# KiCad board panel.kicad_pcb (continued)
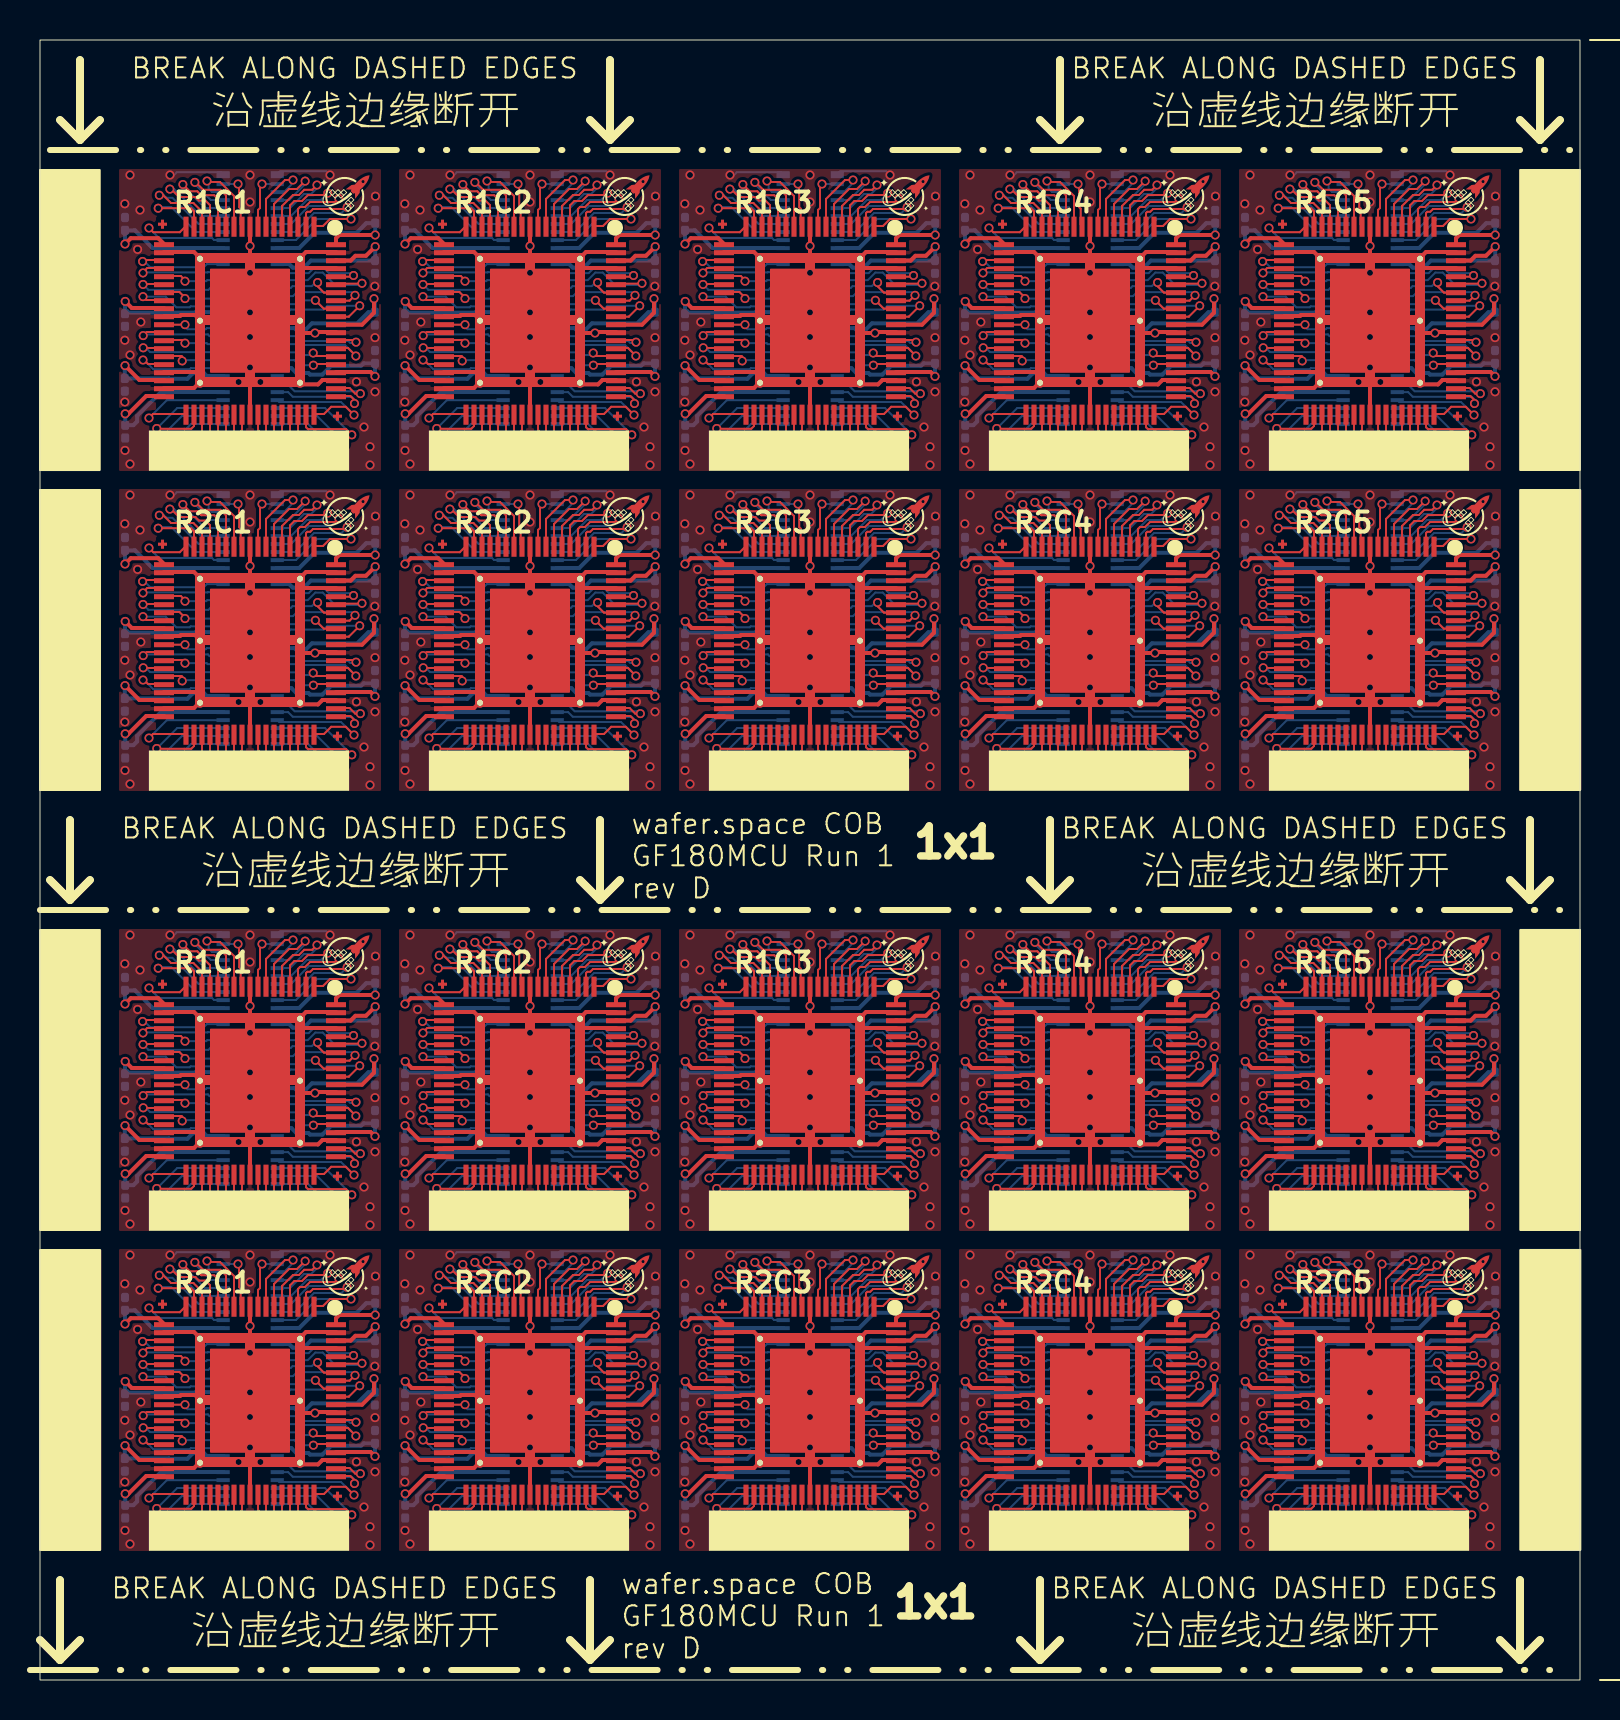
[diagram p0: board, top side]
## Routing (per net, layer and track width the routed paths; a pad name or vN(x,y) marks a point on that pad's centre or on a via; arc(x,y) is an arc through that point) (continued)
  Bottom w0.1: 25.85,35.2 26.55,35.2 27.35,36 28.05,36 v1(28.39,36.34) ; v1(56.39,36.34) 56.05,36 55.35,36 54.55,35.2 53.85,35.2 ; v1(42.39,74.34) 42.05,74 41.35,74 40.55,73.2 39.85,73.2 ; v1(70.39,36.34) 70.05,36 69.35,36 68.55,35.2 67.86,35.2 ; v1(70.39,20.34) 70.05,20 69.35,20 68.55,19.2 67.86,19.2 ; v1(28.39,74.34) 28.05,74 27.35,74 26.55,73.2 25.85,73.2 ; 39.85,57.2 40.55,57.2 41.35,58 42.05,58 v1(42.39,58.34) ; v1(56.39,20.34) 56.05,20 55.35,20 54.55,19.2 53.85,19.2 ; v1(70.39,74.34) 70.05,74 69.35,74 68.55,73.2 67.86,73.2 ; 11.85,19.2 12.55,19.2 13.35,20 14.05,20 v1(14.39,20.34) ; v1(56.39,58.34) 56.05,58 55.35,58 54.55,57.2 53.85,57.2 ; 39.85,19.2 40.55,19.2 41.35,20 42.05,20 v1(42.39,20.34) ; v1(56.39,74.34) 56.05,74 55.35,74 54.55,73.2 53.85,73.2 ; 67.86,57.2 68.55,57.2 69.35,58 70.05,58 v1(70.39,58.34) ; 39.85,35.2 40.55,35.2 41.35,36 42.05,36 v1(42.39,36.34) ; 25.85,57.2 26.55,57.2 27.35,58 28.05,58 v1(28.39,58.34) ; 11.85,35.2 12.55,35.2 13.35,36 14.05,36 v1(14.39,36.34) ; 11.85,57.2 12.55,57.2 13.35,58 14.05,58 v1(14.39,58.34) ; 25.85,19.2 26.55,19.2 27.35,20 28.05,20 v1(28.39,20.34) ; 11.85,73.2 12.55,73.2 13.35,74 14.05,74 v1(14.39,74.34)
/pad_4: length 114.9
  Top w0.1: 68.1,56.7 68.1,57.7 68.65,58.25 68.95,58.25 69.21,58.51 69.61,58.51 v1(69.85,58.75) ; 68.1,72.7 68.1,73.7 68.65,74.25 68.95,74.25 69.21,74.51 69.61,74.51 v1(69.85,74.75) ; v1(27.85,20.75) 27.61,20.51 27.21,20.51 26.95,20.25 26.65,20.25 26.1,19.7 26.1,18.7 ; v1(41.85,58.75) 41.61,58.51 41.21,58.51 40.95,58.25 40.65,58.25 40.1,57.7 40.1,56.7 ; 40.1,34.7 40.1,35.7 40.65,36.25 40.95,36.25 41.21,36.51 41.61,36.51 v1(41.85,36.75) ; 12.1,72.7 12.1,73.7 12.65,74.25 12.95,74.25 13.21,74.51 13.61,74.51 v1(13.85,74.75) ; 12.1,34.7 12.1,35.7 12.65,36.25 12.95,36.25 13.21,36.51 13.61,36.51 v1(13.85,36.75) ; v1(27.85,74.75) 27.61,74.51 27.21,74.51 26.95,74.25 26.65,74.25 26.1,73.7 26.1,72.7 ; v1(13.85,20.75) 13.61,20.51 13.21,20.51 12.95,20.25 12.65,20.25 12.1,19.7 12.1,18.7 ; v1(55.85,20.75) 55.61,20.51 55.21,20.51 54.95,20.25 54.65,20.25 54.1,19.7 54.1,18.7 ; v1(13.85,58.75) 13.61,58.51 13.21,58.51 12.95,58.25 12.65,58.25 12.1,57.7 12.1,56.7 ; v1(27.85,36.75) 27.61,36.51 27.21,36.51 26.95,36.25 26.65,36.25 26.1,35.7 26.1,34.7 ; v1(55.85,74.75) 55.61,74.51 55.21,74.51 54.95,74.25 54.65,74.25 54.1,73.7 54.1,72.7 ; 54.1,34.7 54.1,35.7 54.65,36.25 54.95,36.25 55.21,36.51 55.61,36.51 v1(55.85,36.75) ; v1(27.85,58.75) 27.61,58.51 27.21,58.51 26.95,58.25 26.65,58.25 26.1,57.7 26.1,56.7 ; v1(41.85,20.75) 41.61,20.51 41.21,20.51 40.95,20.25 40.65,20.25 40.1,19.7 40.1,18.7 ; v1(55.85,58.75) 55.61,58.51 55.21,58.51 54.95,58.25 54.65,58.25 54.1,57.7 54.1,56.7 ; 68.1,34.7 68.1,35.7 68.65,36.25 68.95,36.25 69.21,36.51 69.61,36.51 v1(69.85,36.75) ; v1(41.85,74.75) 41.61,74.51 41.21,74.51 40.95,74.25 40.65,74.25 40.1,73.7 40.1,72.7 ; 68.1,18.7 68.1,19.7 68.65,20.25 68.95,20.25 69.21,20.51 69.61,20.51 v1(69.85,20.75)
  Bottom w0.1: v1(13.85,36.75) 13.8,36.7 13.8,36.55 13.55,36.3 13.2,36.3 12.5,35.6 11.85,35.6 ; v1(41.85,58.75) 41.8,58.7 41.8,58.55 41.55,58.3 41.2,58.3 40.5,57.6 39.85,57.6 ; 11.85,57.6 12.5,57.6 13.2,58.3 13.55,58.3 13.8,58.55 13.8,58.7 v1(13.85,58.75) ; v1(55.85,36.75) 55.8,36.7 55.8,36.55 55.55,36.3 55.2,36.3 54.5,35.6 53.85,35.6 ; v1(27.85,20.75) 27.8,20.7 27.8,20.55 27.55,20.3 27.2,20.3 26.5,19.6 25.85,19.6 ; 39.85,35.6 40.5,35.6 41.2,36.3 41.55,36.3 41.8,36.55 41.8,36.7 v1(41.85,36.75) ; v1(27.85,74.75) 27.8,74.7 27.8,74.55 27.55,74.3 27.2,74.3 26.5,73.6 25.85,73.6 ; 53.85,73.6 54.5,73.6 55.2,74.3 55.55,74.3 55.8,74.55 55.8,74.7 v1(55.85,74.75) ; v1(55.85,20.75) 55.8,20.7 55.8,20.55 55.55,20.3 55.2,20.3 54.5,19.6 53.85,19.6 ; v1(27.85,36.75) 27.8,36.7 27.8,36.55 27.55,36.3 27.2,36.3 26.5,35.6 25.85,35.6 ; v1(69.85,58.75) 69.8,58.7 69.8,58.55 69.55,58.3 69.2,58.3 68.5,57.6 67.86,57.6 ; 67.86,73.6 68.5,73.6 69.2,74.3 69.55,74.3 69.8,74.55 69.8,74.7 v1(69.85,74.75) ; 25.85,57.6 26.5,57.6 27.2,58.3 27.55,58.3 27.8,58.55 27.8,58.7 v1(27.85,58.75) ; 67.86,19.6 68.5,19.6 69.2,20.3 69.55,20.3 69.8,20.55 69.8,20.7 v1(69.85,20.75) ; v1(55.85,58.75) 55.8,58.7 55.8,58.55 55.55,58.3 55.2,58.3 54.5,57.6 53.85,57.6 ; v1(41.85,74.75) 41.8,74.7 41.8,74.55 41.55,74.3 41.2,74.3 40.5,73.6 39.85,73.6 ; v1(13.85,74.75) 13.8,74.7 13.8,74.55 13.55,74.3 13.2,74.3 12.5,73.6 11.85,73.6 ; v1(69.85,36.75) 69.8,36.7 69.8,36.55 69.55,36.3 69.2,36.3 68.5,35.6 67.86,35.6 ; v1(13.85,20.75) 13.8,20.7 13.8,20.55 13.55,20.3 13.2,20.3 12.5,19.6 11.85,19.6 ; v1(41.85,20.75) 41.8,20.7 41.8,20.55 41.55,20.3 41.2,20.3 40.5,19.6 39.85,19.6
/pad_5: length 100.2
  Top w0.1: 39.7,72.7 39.7,73.8 40.45,74.55 40.85,74.55 41.24,74.94 v1(41.26,74.94) ; v1(55.26,74.94) 55.24,74.94 54.85,74.55 54.45,74.55 53.7,73.8 53.7,72.7 ; 53.7,34.7 53.7,35.8 54.45,36.55 54.85,36.55 55.24,36.94 v1(55.26,36.94) ; v1(13.26,36.94) 13.24,36.94 12.85,36.55 12.45,36.55 11.7,35.8 11.7,34.7 ; 39.7,18.7 39.7,19.8 40.45,20.55 40.85,20.55 41.24,20.94 v1(41.26,20.94) ; v1(27.26,58.94) 27.24,58.94 26.85,58.55 26.45,58.55 25.7,57.8 25.7,56.7 ; 11.7,18.7 11.7,19.8 12.45,20.55 12.85,20.55 13.24,20.94 v1(13.26,20.94) ; v1(69.26,36.94) 69.24,36.94 68.85,36.55 68.45,36.55 67.7,35.8 67.7,34.7 ; 25.7,34.7 25.7,35.8 26.45,36.55 26.85,36.55 27.24,36.94 v1(27.26,36.94) ; 25.7,72.7 25.7,73.8 26.45,74.55 26.85,74.55 27.24,74.94 v1(27.26,74.94) ; 11.7,72.7 11.7,73.8 12.45,74.55 12.85,74.55 13.24,74.94 v1(13.26,74.94) ; v1(69.26,74.94) 69.24,74.94 68.85,74.55 68.45,74.55 67.7,73.8 67.7,72.7 ; v1(69.26,20.94) 69.24,20.94 68.85,20.55 68.45,20.55 67.7,19.8 67.7,18.7 ; v1(27.26,20.94) 27.24,20.94 26.85,20.55 26.45,20.55 25.7,19.8 25.7,18.7 ; v1(55.26,58.94) 55.24,58.94 54.85,58.55 54.45,58.55 53.7,57.8 53.7,56.7 ; 67.7,56.7 67.7,57.8 68.45,58.55 68.85,58.55 69.24,58.94 v1(69.26,58.94) ; v1(13.26,58.94) 13.24,58.94 12.85,58.55 12.45,58.55 11.7,57.8 11.7,56.7 ; v1(41.26,58.94) 41.24,58.94 40.85,58.55 40.45,58.55 39.7,57.8 39.7,56.7 ; v1(41.26,36.94) 41.24,36.94 40.85,36.55 40.45,36.55 39.7,35.8 39.7,34.7 ; v1(55.26,20.94) 55.24,20.94 54.85,20.55 54.45,20.55 53.7,19.8 53.7,18.7
  Bottom w0.1: 25.85,74 26.46,74 27.26,74.8 v1(27.26,74.94) ; v1(55.26,20.94) 55.26,20.8 54.46,20 53.85,20 ; 25.85,20 26.46,20 27.26,20.8 v1(27.26,20.94) ; v1(41.26,74.94) 41.26,74.8 40.46,74 39.85,74 ; v1(69.26,74.94) 69.26,74.8 68.46,74 67.86,74 ; v1(41.26,58.94) 41.26,58.8 40.46,58 39.85,58 ; 25.85,36 26.46,36 27.26,36.8 v1(27.26,36.94) ; v1(41.26,36.94) 41.26,36.8 40.46,36 39.85,36 ; 67.86,36 68.46,36 69.26,36.8 v1(69.26,36.94) ; v1(55.26,74.94) 55.26,74.8 54.46,74 53.85,74 ; v1(55.26,36.94) 55.26,36.8 54.46,36 53.85,36 ; v1(13.26,20.94) 13.26,20.8 12.46,20 11.85,20 ; v1(27.26,58.94) 27.26,58.8 26.46,58 25.85,58 ; 67.86,58 68.46,58 69.26,58.8 v1(69.26,58.94) ; v1(13.26,74.94) 13.26,74.8 12.46,74 11.85,74 ; 11.85,36 12.46,36 13.26,36.8 v1(13.26,36.94) ; v1(55.26,58.94) 55.26,58.8 54.46,58 53.85,58 ; v1(13.26,58.94) 13.26,58.8 12.46,58 11.85,58 ; v1(41.26,20.94) 41.26,20.8 40.46,20 39.85,20 ; v1(69.26,20.94) 69.26,20.8 68.46,20 67.86,20
/pad_6: length 84.5
  Top w0.1: v1(26.65,37) 26.25,37 25.3,36.05 25.3,34.7 ; 53.3,72.7 53.3,74.05 54.25,75 v1(54.65,75) ; 67.3,18.7 67.3,20.05 68.25,21 v1(68.65,21) ; v1(40.65,21) 40.25,21 39.3,20.05 39.3,18.7 ; 67.3,34.7 67.3,36.05 68.25,37 v1(68.65,37) ; v1(40.65,59) 40.25,59 39.3,58.05 39.3,56.7 ; v1(26.65,75) 26.25,75 25.3,74.05 25.3,72.7 ; v1(40.65,75) 40.25,75 39.3,74.05 39.3,72.7 ; v1(54.65,59) 54.25,59 53.3,58.05 53.3,56.7 ; 25.3,56.7 25.3,58.05 26.25,59 v1(26.65,59) ; v1(12.65,37) 12.25,37 11.3,36.05 11.3,34.7 ; 53.3,34.7 53.3,36.05 54.25,37 v1(54.65,37) ; v1(54.65,21) 54.25,21 53.3,20.05 53.3,18.7 ; v1(68.65,75) 68.25,75 67.3,74.05 67.3,72.7 ; v1(12.65,75) 12.25,75 11.3,74.05 11.3,72.7 ; v1(68.65,59) 68.25,59 67.3,58.05 67.3,56.7 ; v1(12.65,59) 12.25,59 11.3,58.05 11.3,56.7 ; 11.3,18.7 11.3,20.05 12.25,21 v1(12.65,21) ; 25.3,18.7 25.3,20.05 26.25,21 v1(26.65,21) ; 39.3,34.7 39.3,36.05 40.25,37 v1(40.65,37)
  Bottom w0.1: v1(40.65,75) 40.65,74.85 40.2,74.4 39.85,74.4 ; 25.85,36.4 26.2,36.4 26.65,36.85 v1(26.65,37) ; v1(54.65,59) 54.65,58.85 54.2,58.4 53.85,58.4 ; v1(54.65,37) 54.65,36.85 54.2,36.4 53.85,36.4 ; v1(54.65,75) 54.65,74.85 54.2,74.4 53.85,74.4 ; v1(40.65,21) 40.65,20.85 40.2,20.4 39.85,20.4 ; v1(26.65,59) 26.65,58.85 26.2,58.4 25.85,58.4 ; v1(54.65,21) 54.65,20.85 54.2,20.4 53.85,20.4 ; 67.86,58.4 68.2,58.4 68.65,58.85 v1(68.65,59) ; v1(12.65,59) 12.65,58.85 12.2,58.4 11.85,58.4 ; v1(40.65,59) 40.65,58.85 40.2,58.4 39.85,58.4 ; 25.85,74.4 26.2,74.4 26.65,74.85 v1(26.65,75) ; v1(68.65,37) 68.65,36.85 68.2,36.4 67.86,36.4 ; 39.85,36.4 40.2,36.4 40.65,36.85 v1(40.65,37) ; v1(12.65,37) 12.65,36.85 12.2,36.4 11.85,36.4 ; v1(12.65,75) 12.65,74.85 12.2,74.4 11.85,74.4 ; v1(68.65,75) 68.65,74.85 68.2,74.4 67.86,74.4 ; v1(68.65,21) 68.65,20.85 68.2,20.4 67.86,20.4 ; 25.85,20.4 26.2,20.4 26.65,20.85 v1(26.65,21) ; 11.85,20.4 12.2,20.4 12.65,20.85 v1(12.65,21)
/pad_7: length 58.8
  Top w0.1: v1(25.1,74.8) 25,74.7 25,73.6 24.9,73.5 24.9,72.7 ; v1(53.1,36.8) 53,36.7 53,35.6 52.9,35.5 52.9,34.7 ; 24.9,18.7 24.9,19.5 25,19.6 25,20.7 v1(25.1,20.8) ; 52.9,72.7 52.9,73.5 53,73.6 53,74.7 v1(53.1,74.8) ; v1(53.1,20.8) 53,20.7 53,19.6 52.9,19.5 52.9,18.7 ; 24.9,56.7 24.9,57.5 25,57.6 25,58.7 v1(25.1,58.8) ; v1(39.1,20.8) 39,20.7 39,19.6 38.9,19.5 38.9,18.7 ; v1(39.1,58.8) 39,58.7 39,57.6 38.9,57.5 38.9,56.7 ; v1(39.1,36.8) 39,36.7 39,35.6 38.9,35.5 38.9,34.7 ; v1(67.1,20.8) 67,20.7 67,19.6 66.9,19.5 66.9,18.7 ; v1(67.1,74.8) 67,74.7 67,73.6 66.9,73.5 66.9,72.7 ; 10.9,34.7 10.9,35.5 11,35.6 11,36.7 v1(11.1,36.8) ; 24.9,34.7 24.9,35.5 25,35.6 25,36.7 v1(25.1,36.8) ; v1(11.1,74.8) 11,74.7 11,73.6 10.9,73.5 10.9,72.7 ; 66.9,34.7 66.9,35.5 67,35.6 67,36.7 v1(67.1,36.8) ; v1(53.1,58.8) 53,58.7 53,57.6 52.9,57.5 52.9,56.7 ; v1(39.1,74.8) 39,74.7 39,73.6 38.9,73.5 38.9,72.7 ; 10.9,18.7 10.9,19.5 11,19.6 11,20.7 v1(11.1,20.8) ; v1(11.1,58.8) 11,58.7 11,57.6 10.9,57.5 10.9,56.7 ; v1(67.1,58.8) 67,58.7 67,57.6 66.9,57.5 66.9,56.7
  Bottom w0.1: v1(39.1,36.8) 39.85,36.8 ; v1(39.1,20.8) 39.85,20.8 ; v1(25.1,20.8) 25.85,20.8 ; v1(53.1,74.8) 53.85,74.8 ; v1(25.1,58.8) 25.85,58.8 ; v1(25.1,74.8) 25.85,74.8 ; v1(67.1,58.8) 67.86,58.8 ; v1(67.1,74.8) 67.86,74.8 ; v1(67.1,20.8) 67.86,20.8 ; v1(67.1,36.8) 67.86,36.8 ; v1(11.1,20.8) 11.85,20.8 ; v1(11.1,36.8) 11.85,36.8 ; v1(53.1,58.8) 53.85,58.8 ; v1(53.1,20.8) 53.85,20.8 ; v1(11.1,58.8) 11.85,58.8 ; v1(39.1,58.8) 39.85,58.8 ; v1(39.1,74.8) 39.85,74.8 ; v1(11.1,74.8) 11.85,74.8 ; v1(25.1,36.8) 25.85,36.8 ; v1(53.1,36.8) 53.85,36.8
/pad_9: length 58.8
  Top w0.1: 10.1,56.7 10.04,56.76 10.04,57.56 9.96,57.64 9.96,58.31 9.95,58.32 9.95,58.65 9.9,58.7 v1(9.9,58.8) ; 52.1,18.7 52.04,18.76 52.04,19.56 51.96,19.64 51.96,20.31 51.95,20.32 51.95,20.65 51.9,20.7 v1(51.9,20.8) ; 24.1,72.7 24.04,72.76 24.04,73.56 23.96,73.64 23.96,74.31 23.95,74.32 23.95,74.65 23.9,74.7 v1(23.9,74.8) ; v1(37.9,74.8) 37.9,74.7 37.95,74.65 37.95,74.32 37.96,74.31 37.96,73.64 38.04,73.56 38.04,72.76 38.1,72.7 ; 66.1,56.7 66.04,56.76 66.04,57.56 65.96,57.64 65.96,58.31 65.95,58.32 65.95,58.65 65.9,58.7 v1(65.9,58.8) ; v1(23.9,58.8) 23.9,58.7 23.95,58.65 23.95,58.32 23.96,58.31 23.96,57.64 24.04,57.56 24.04,56.76 24.1,56.7 ; v1(9.9,74.8) 9.9,74.7 9.95,74.65 9.95,74.32 9.96,74.31 9.96,73.64 10.04,73.56 10.04,72.76 10.1,72.7 ; 66.1,34.7 66.04,34.76 66.04,35.56 65.96,35.64 65.96,36.31 65.95,36.32 65.95,36.65 65.9,36.7 v1(65.9,36.8) ; 24.1,34.7 24.04,34.76 24.04,35.56 23.96,35.64 23.96,36.31 23.95,36.32 23.95,36.65 23.9,36.7 v1(23.9,36.8) ; v1(65.9,20.8) 65.9,20.7 65.95,20.65 65.95,20.32 65.96,20.31 65.96,19.64 66.04,19.56 66.04,18.76 66.1,18.7 ; 38.1,34.7 38.04,34.76 38.04,35.56 37.96,35.64 37.96,36.31 37.95,36.32 37.95,36.65 37.9,36.7 v1(37.9,36.8) ; v1(51.9,74.8) 51.9,74.7 51.95,74.65 51.95,74.32 51.96,74.31 51.96,73.64 52.04,73.56 52.04,72.76 52.1,72.7 ; v1(9.9,20.8) 9.9,20.7 9.95,20.65 9.95,20.32 9.96,20.31 9.96,19.64 10.04,19.56 10.04,18.76 10.1,18.7 ; v1(37.9,20.8) 37.9,20.7 37.95,20.65 37.95,20.32 37.96,20.31 37.96,19.64 38.04,19.56 38.04,18.76 38.1,18.7 ; 66.1,72.7 66.04,72.76 66.04,73.56 65.96,73.64 65.96,74.31 65.95,74.32 65.95,74.65 65.9,74.7 v1(65.9,74.8) ; 24.1,18.7 24.04,18.76 24.04,19.56 23.96,19.64 23.96,20.31 23.95,20.32 23.95,20.65 23.9,20.7 v1(23.9,20.8) ; 52.1,56.7 52.04,56.76 52.04,57.56 51.96,57.64 51.96,58.31 51.95,58.32 51.95,58.65 51.9,58.7 v1(51.9,58.8) ; 52.1,34.7 52.04,34.76 52.04,35.56 51.96,35.64 51.96,36.31 51.95,36.32 51.95,36.65 51.9,36.7 v1(51.9,36.8) ; 10.1,34.7 10.04,34.76 10.04,35.56 9.96,35.64 9.96,36.31 9.95,36.32 9.95,36.65 9.9,36.7 v1(9.9,36.8) ; 38.1,56.7 38.04,56.76 38.04,57.56 37.96,57.64 37.96,58.31 37.95,58.32 37.95,58.65 37.9,58.7 v1(37.9,58.8)
  Bottom w0.1: v1(65.9,36.8) 65.15,36.8 ; v1(9.9,74.8) 9.15,74.8 ; v1(51.9,58.8) 51.15,58.8 ; v1(37.9,58.8) 37.15,58.8 ; v1(37.9,36.8) 37.15,36.8 ; v1(51.9,20.8) 51.15,20.8 ; v1(51.9,74.8) 51.15,74.8 ; v1(23.9,74.8) 23.15,74.8 ; v1(9.9,36.8) 9.15,36.8 ; v1(37.9,20.8) 37.15,20.8 ; v1(23.9,20.8) 23.15,20.8 ; v1(65.9,74.8) 65.15,74.8 ; v1(9.9,58.8) 9.15,58.8 ; v1(23.9,36.8) 23.15,36.8 ; v1(51.9,36.8) 51.15,36.8 ; v1(9.9,20.8) 9.15,20.8 ; v1(65.9,20.8) 65.15,20.8 ; v1(65.9,58.8) 65.15,58.8 ; v1(23.9,58.8) 23.15,58.8 ; v1(37.9,74.8) 37.15,74.8
/pad_10: length 87.7
  Top w0.1: v1(8.35,74.95) 8.4,74.9 9,74.9 9.7,74.2 9.7,72.7 ; v1(36.35,58.95) 36.4,58.9 37,58.9 37.7,58.2 37.7,56.7 ; 65.7,56.7 65.7,58.2 65,58.9 64.4,58.9 v1(64.35,58.95) ; 51.7,56.7 51.7,58.2 51,58.9 50.4,58.9 v1(50.35,58.95) ; 9.7,18.7 9.7,20.2 9,20.9 8.4,20.9 v1(8.35,20.95) ; 51.7,18.7 51.7,20.2 51,20.9 50.4,20.9 v1(50.35,20.95) ; 51.7,72.7 51.7,74.2 51,74.9 50.4,74.9 v1(50.35,74.95) ; v1(64.35,20.95) 64.4,20.9 65,20.9 65.7,20.2 65.7,18.7 ; v1(22.35,20.95) 22.4,20.9 23,20.9 23.7,20.2 23.7,18.7 ; v1(22.35,36.95) 22.4,36.9 23,36.9 23.7,36.2 23.7,34.7 ; 65.7,72.7 65.7,74.2 65,74.9 64.4,74.9 v1(64.35,74.95) ; 51.7,34.7 51.7,36.2 51,36.9 50.4,36.9 v1(50.35,36.95) ; v1(22.35,74.95) 22.4,74.9 23,74.9 23.7,74.2 23.7,72.7 ; v1(8.35,58.95) 8.4,58.9 9,58.9 9.7,58.2 9.7,56.7 ; v1(22.35,58.95) 22.4,58.9 23,58.9 23.7,58.2 23.7,56.7 ; v1(36.35,20.95) 36.4,20.9 37,20.9 37.7,20.2 37.7,18.7 ; 9.7,34.7 9.7,36.2 9,36.9 8.4,36.9 v1(8.35,36.95) ; 37.7,72.7 37.7,74.2 37,74.9 36.4,74.9 v1(36.35,74.95) ; 37.7,34.7 37.7,36.2 37,36.9 36.4,36.9 v1(36.35,36.95) ; v1(64.35,36.95) 64.4,36.9 65,36.9 65.7,36.2 65.7,34.7
  Bottom w0.1: v1(50.35,20.95) 50.4,20.95 50.43,20.92 50.43,20.57 50.6,20.4 51.15,20.4 ; v1(64.35,36.95) 64.4,36.95 64.43,36.92 64.43,36.57 64.6,36.4 65.15,36.4 ; 37.15,20.4 36.6,20.4 36.43,20.57 36.43,20.92 36.4,20.95 v1(36.35,20.95) ; v1(36.35,36.95) 36.4,36.95 36.43,36.92 36.43,36.57 36.6,36.4 37.15,36.4 ; v1(64.35,20.95) 64.4,20.95 64.43,20.92 64.43,20.57 64.6,20.4 65.15,20.4 ; v1(8.35,74.95) 8.4,74.95 8.43,74.92 8.43,74.57 8.6,74.4 9.15,74.4 ; v1(8.35,58.95) 8.4,58.95 8.43,58.92 8.43,58.57 8.6,58.4 9.15,58.4 ; 9.15,20.4 8.6,20.4 8.43,20.57 8.43,20.92 8.4,20.95 v1(8.35,20.95) ; 51.15,74.4 50.6,74.4 50.43,74.57 50.43,74.92 50.4,74.95 v1(50.35,74.95) ; 9.15,36.4 8.6,36.4 8.43,36.57 8.43,36.92 8.4,36.95 v1(8.35,36.95) ; 65.15,74.4 64.6,74.4 64.43,74.57 64.43,74.92 64.4,74.95 v1(64.35,74.95) ; v1(22.35,74.95) 22.4,74.95 22.43,74.92 22.43,74.57 22.6,74.4 23.15,74.4 ; v1(50.35,58.95) 50.4,58.95 50.43,58.92 50.43,58.57 50.6,58.4 51.15,58.4 ; 23.15,20.4 22.6,20.4 22.43,20.57 22.43,20.92 22.4,20.95 v1(22.35,20.95) ; v1(22.35,36.95) 22.4,36.95 22.43,36.92 22.43,36.57 22.6,36.4 23.15,36.4 ; 65.15,58.4 64.6,58.4 64.43,58.57 64.43,58.92 64.4,58.95 v1(64.35,58.95) ; v1(36.35,74.95) 36.4,74.95 36.43,74.92 36.43,74.57 36.6,74.4 37.15,74.4 ; 51.15,36.4 50.6,36.4 50.43,36.57 50.43,36.92 50.4,36.95 v1(50.35,36.95) ; 37.15,58.4 36.6,58.4 36.43,58.57 36.43,58.92 36.4,58.95 v1(36.35,58.95) ; v1(22.35,58.95) 22.4,58.95 22.43,58.92 22.43,58.57 22.6,58.4 23.15,58.4
/pad_11: length 105.4
  Top w0.1: v1(49.74,36.88) 49.7,36.83 49.84,36.83 50.16,36.51 51.02,36.51 51.3,36.23 51.3,34.7 ; 51.3,18.7 51.3,20.23 51.02,20.51 50.16,20.51 49.84,20.83 49.7,20.83 v1(49.74,20.88) ; v1(21.74,58.88) 21.7,58.83 21.84,58.83 22.16,58.51 23.02,58.51 23.3,58.23 23.3,56.7 ; v1(35.74,58.88) 35.7,58.83 35.84,58.83 36.16,58.51 37.02,58.51 37.3,58.23 37.3,56.7 ; v1(21.74,74.88) 21.7,74.83 21.84,74.83 22.16,74.51 23.02,74.51 23.3,74.23 23.3,72.7 ; 9.3,72.7 9.3,74.23 9.02,74.51 8.16,74.51 7.84,74.83 7.7,74.83 v1(7.74,74.88) ; v1(35.74,36.88) 35.7,36.83 35.84,36.83 36.16,36.51 37.02,36.51 37.3,36.23 37.3,34.7 ; v1(63.74,20.88) 63.7,20.83 63.84,20.83 64.16,20.51 65.02,20.51 65.3,20.23 65.3,18.7 ; 23.3,18.7 23.3,20.23 23.02,20.51 22.16,20.51 21.84,20.83 21.7,20.83 v1(21.74,20.88) ; 65.3,56.7 65.3,58.23 65.02,58.51 64.16,58.51 63.84,58.83 63.7,58.83 v1(63.74,58.88) ; v1(35.74,74.88) 35.7,74.83 35.84,74.83 36.16,74.51 37.02,74.51 37.3,74.23 37.3,72.7 ; v1(63.74,74.88) 63.7,74.83 63.84,74.83 64.16,74.51 65.02,74.51 65.3,74.23 65.3,72.7 ; 9.3,56.7 9.3,58.23 9.02,58.51 8.16,58.51 7.84,58.83 7.7,58.83 v1(7.74,58.88) ; 51.3,72.7 51.3,74.23 51.02,74.51 50.16,74.51 49.84,74.83 49.7,74.83 v1(49.74,74.88) ; 9.3,34.7 9.3,36.23 9.02,36.51 8.16,36.51 7.84,36.83 7.7,36.83 v1(7.74,36.88) ; v1(7.74,20.88) 7.7,20.83 7.84,20.83 8.16,20.51 9.02,20.51 9.3,20.23 9.3,18.7 ; 65.3,34.7 65.3,36.23 65.02,36.51 64.16,36.51 63.84,36.83 63.7,36.83 v1(63.74,36.88) ; v1(21.74,36.88) 21.7,36.83 21.84,36.83 22.16,36.51 23.02,36.51 23.3,36.23 23.3,34.7 ; v1(49.74,58.88) 49.7,58.83 49.84,58.83 50.16,58.51 51.02,58.51 51.3,58.23 51.3,56.7 ; v1(35.74,20.88) 35.7,20.83 35.84,20.83 36.16,20.51 37.02,20.51 37.3,20.23 37.3,18.7
  Bottom w0.1: v1(63.74,20.88) 63.74,20.8 64.54,20 65.15,20 ; 23.15,20 22.54,20 21.74,20.8 v1(21.74,20.88) ; 37.15,20 36.54,20 35.74,20.8 v1(35.74,20.88) ; v1(35.74,58.88) 35.74,58.8 36.54,58 37.15,58 ; 37.15,36 36.54,36 35.74,36.8 v1(35.74,36.88) ; v1(63.74,36.88) 63.74,36.8 64.54,36 65.15,36 ; v1(35.74,74.88) 35.74,74.8 36.54,74 37.15,74 ; 23.15,74 22.54,74 21.74,74.8 v1(21.74,74.88) ; v1(21.74,36.88) 21.74,36.8 22.54,36 23.15,36 ; 51.15,74 50.54,74 49.74,74.8 v1(49.74,74.88) ; v1(49.74,58.88) 49.74,58.8 50.54,58 51.15,58 ; 9.15,36 8.54,36 7.74,36.8 v1(7.74,36.88) ; v1(7.74,74.88) 7.74,74.8 8.54,74 9.15,74 ; 23.15,58 22.54,58 21.74,58.8 v1(21.74,58.88) ; v1(63.74,74.88) 63.74,74.8 64.54,74 65.15,74 ; v1(49.74,36.88) 49.74,36.8 50.54,36 51.15,36 ; v1(63.74,58.88) 63.74,58.8 64.54,58 65.15,58 ; v1(7.74,58.88) 7.74,58.8 8.54,58 9.15,58 ; v1(49.74,20.88) 49.74,20.8 50.54,20 51.15,20 ; v1(7.74,20.88) 7.74,20.8 8.54,20 9.15,20
/pad_12: length 118.7
  Top w0.1: 64.9,18.7 64.9,20.05 64.71,20.24 64.07,20.24 64.06,20.25 64.05,20.25 63.86,20.44 63.48,20.44 v1(63.14,20.78) ; 64.9,34.7 64.9,36.05 64.71,36.24 64.07,36.24 64.06,36.25 64.05,36.25 63.86,36.44 63.48,36.44 v1(63.14,36.78) ; v1(7.14,20.78) 7.48,20.44 7.86,20.44 8.05,20.25 8.06,20.25 8.07,20.24 8.71,20.24 8.9,20.05 8.9,18.7 ; 36.9,72.7 36.9,74.05 36.71,74.24 36.07,74.24 36.06,74.25 36.05,74.25 35.86,74.44 35.48,74.44 v1(35.14,74.78) ; v1(35.14,36.78) 35.48,36.44 35.86,36.44 36.05,36.25 36.06,36.25 36.07,36.24 36.71,36.24 36.9,36.05 36.9,34.7 ; v1(49.14,74.78) 49.48,74.44 49.86,74.44 50.05,74.25 50.06,74.25 50.07,74.24 50.71,74.24 50.9,74.05 50.9,72.7 ; v1(49.14,36.78) 49.48,36.44 49.86,36.44 50.05,36.25 50.06,36.25 50.07,36.24 50.71,36.24 50.9,36.05 50.9,34.7 ; 8.9,56.7 8.9,58.05 8.71,58.24 8.07,58.24 8.06,58.25 8.05,58.25 7.86,58.44 7.48,58.44 v1(7.14,58.78) ; 50.9,56.7 50.9,58.05 50.71,58.24 50.07,58.24 50.06,58.25 50.05,58.25 49.86,58.44 49.48,58.44 v1(49.14,58.78) ; v1(49.14,20.78) 49.48,20.44 49.86,20.44 50.05,20.25 50.06,20.25 50.07,20.24 50.71,20.24 50.9,20.05 50.9,18.7 ; 22.9,18.7 22.9,20.05 22.71,20.24 22.07,20.24 22.06,20.25 22.05,20.25 21.86,20.44 21.48,20.44 v1(21.14,20.78) ; 64.9,72.7 64.9,74.05 64.71,74.24 64.07,74.24 64.06,74.25 64.05,74.25 63.86,74.44 63.48,74.44 v1(63.14,74.78) ; v1(35.14,20.78) 35.48,20.44 35.86,20.44 36.05,20.25 36.06,20.25 36.07,20.24 36.71,20.24 36.9,20.05 36.9,18.7 ; 36.9,56.7 36.9,58.05 36.71,58.24 36.07,58.24 36.06,58.25 36.05,58.25 35.86,58.44 35.48,58.44 v1(35.14,58.78) ; 8.9,72.7 8.9,74.05 8.71,74.24 8.07,74.24 8.06,74.25 8.05,74.25 7.86,74.44 7.48,74.44 v1(7.14,74.78) ; 22.9,56.7 22.9,58.05 22.71,58.24 22.07,58.24 22.06,58.25 22.05,58.25 21.86,58.44 21.48,58.44 v1(21.14,58.78) ; v1(21.14,74.78) 21.48,74.44 21.86,74.44 22.05,74.25 22.06,74.25 22.07,74.24 22.71,74.24 22.9,74.05 22.9,72.7 ; 64.9,56.7 64.9,58.05 64.71,58.24 64.07,58.24 64.06,58.25 64.05,58.25 63.86,58.44 63.48,58.44 v1(63.14,58.78) ; 22.9,34.7 22.9,36.05 22.71,36.24 22.07,36.24 22.06,36.25 22.05,36.25 21.86,36.44 21.48,36.44 v1(21.14,36.78) ; v1(7.14,36.78) 7.48,36.44 7.86,36.44 8.05,36.25 8.06,36.25 8.07,36.24 8.71,36.24 8.9,36.05 8.9,34.7
  Bottom w0.1: v1(35.14,58.78) 35.14,58.71 36.25,57.6 37.15,57.6 ; v1(49.14,58.78) 49.14,58.71 50.25,57.6 51.15,57.6 ; v1(35.14,74.78) 35.14,74.71 36.25,73.6 37.15,73.6 ; 23.15,57.6 22.25,57.6 21.14,58.71 v1(21.14,58.78) ; v1(7.14,20.78) 7.14,20.71 8.25,19.6 9.15,19.6 ; v1(35.14,36.78) 35.14,36.71 36.25,35.6 37.15,35.6 ; v1(7.14,36.78) 7.14,36.71 8.25,35.6 9.15,35.6 ; v1(63.14,36.78) 63.14,36.71 64.25,35.6 65.15,35.6 ; 51.15,19.6 50.25,19.6 49.14,20.71 v1(49.14,20.78) ; v1(21.14,74.78) 21.14,74.71 22.25,73.6 23.15,73.6 ; v1(35.14,20.78) 35.14,20.71 36.25,19.6 37.15,19.6 ; v1(7.14,74.78) 7.14,74.71 8.25,73.6 9.15,73.6 ; 23.15,35.6 22.25,35.6 21.14,36.71 v1(21.14,36.78) ; 9.15,57.6 8.25,57.6 7.14,58.71 v1(7.14,58.78) ; v1(63.14,20.78) 63.14,20.71 64.25,19.6 65.15,19.6 ; v1(21.14,20.78) 21.14,20.71 22.25,19.6 23.15,19.6 ; 65.15,57.6 64.25,57.6 63.14,58.71 v1(63.14,58.78) ; 51.15,35.6 50.25,35.6 49.14,36.71 v1(49.14,36.78) ; v1(49.14,74.78) 49.14,74.71 50.25,73.6 51.15,73.6 ; v1(63.14,74.78) 63.14,74.71 64.25,73.6 65.15,73.6
/pad_13: length 131.8
  Top w0.1: 8.5,72.7 8.5,73.74 8.27,73.97 7.95,73.97 7.77,74.15 6.95,74.15 6.56,74.54 v1(6.49,74.54) ; v1(20.49,20.54) 20.56,20.54 20.95,20.15 21.77,20.15 21.95,19.97 22.27,19.97 22.5,19.74 22.5,18.7 ; v1(34.49,36.54) 34.56,36.54 34.95,36.15 35.77,36.15 35.95,35.97 36.27,35.97 36.5,35.74 36.5,34.7 ; v1(62.49,20.54) 62.56,20.54 62.95,20.15 63.77,20.15 63.95,19.97 64.27,19.97 64.5,19.74 64.5,18.7 ; v1(34.49,58.54) 34.56,58.54 34.95,58.15 35.77,58.15 35.95,57.97 36.27,57.97 36.5,57.74 36.5,56.7 ; 36.5,72.7 36.5,73.74 36.27,73.97 35.95,73.97 35.77,74.15 34.95,74.15 34.56,74.54 v1(34.49,74.54) ; 36.5,18.7 36.5,19.74 36.27,19.97 35.95,19.97 35.77,20.15 34.95,20.15 34.56,20.54 v1(34.49,20.54) ; v1(62.49,74.54) 62.56,74.54 62.95,74.15 63.77,74.15 63.95,73.97 64.27,73.97 64.5,73.74 64.5,72.7 ; 50.5,34.7 50.5,35.74 50.27,35.97 49.95,35.97 49.77,36.15 48.95,36.15 48.56,36.54 v1(48.49,36.54) ; 8.5,34.7 8.5,35.74 8.27,35.97 7.95,35.97 7.77,36.15 6.95,36.15 6.56,36.54 v1(6.49,36.54) ; 8.5,56.7 8.5,57.74 8.27,57.97 7.95,57.97 7.77,58.15 6.95,58.15 6.56,58.54 v1(6.49,58.54) ; 64.5,34.7 64.5,35.74 64.27,35.97 63.95,35.97 63.77,36.15 62.95,36.15 62.56,36.54 v1(62.49,36.54) ; v1(48.49,74.54) 48.56,74.54 48.95,74.15 49.77,74.15 49.95,73.97 50.27,73.97 50.5,73.74 50.5,72.7 ; 8.5,18.7 8.5,19.74 8.27,19.97 7.95,19.97 7.77,20.15 6.95,20.15 6.56,20.54 v1(6.49,20.54) ; v1(48.49,58.54) 48.56,58.54 48.95,58.15 49.77,58.15 49.95,57.97 50.27,57.97 50.5,57.74 50.5,56.7 ; v1(62.49,58.54) 62.56,58.54 62.95,58.15 63.77,58.15 63.95,57.97 64.27,57.97 64.5,57.74 64.5,56.7 ; 22.5,72.7 22.5,73.74 22.27,73.97 21.95,73.97 21.77,74.15 20.95,74.15 20.56,74.54 v1(20.49,74.54) ; 22.5,34.7 22.5,35.74 22.27,35.97 21.95,35.97 21.77,36.15 20.95,36.15 20.56,36.54 v1(20.49,36.54) ; 50.5,18.7 50.5,19.74 50.27,19.97 49.95,19.97 49.77,20.15 48.95,20.15 48.56,20.54 v1(48.49,20.54) ; 22.5,56.7 22.5,57.74 22.27,57.97 21.95,57.97 21.77,58.15 20.95,58.15 20.56,58.54 v1(20.49,58.54)
  Bottom w0.1: v1(48.49,20.54) 48.71,20.54 50.05,19.2 51.15,19.2 ; v1(34.49,58.54) 34.71,58.54 36.05,57.2 37.15,57.2 ; v1(6.49,58.54) 6.71,58.54 8.05,57.2 9.15,57.2 ; 37.15,19.2 36.05,19.2 34.71,20.54 v1(34.49,20.54) ; 51.15,35.2 50.05,35.2 48.71,36.54 v1(48.49,36.54) ; v1(20.49,36.54) 20.71,36.54 22.05,35.2 23.15,35.2 ; v1(48.49,74.54) 48.71,74.54 50.05,73.2 51.15,73.2 ; v1(20.49,58.54) 20.71,58.54 22.05,57.2 23.15,57.2 ; v1(34.49,36.54) 34.71,36.54 36.05,35.2 37.15,35.2 ; 37.15,73.2 36.05,73.2 34.71,74.54 v1(34.49,74.54) ; 65.15,57.2 64.05,57.2 62.71,58.54 v1(62.49,58.54) ; 65.15,19.2 64.05,19.2 62.71,20.54 v1(62.49,20.54) ; v1(20.49,20.54) 20.71,20.54 22.05,19.2 23.15,19.2 ; v1(6.49,36.54) 6.71,36.54 8.05,35.2 9.15,35.2 ; 65.15,73.2 64.05,73.2 62.71,74.54 v1(62.49,74.54) ; 9.15,19.2 8.05,19.2 6.71,20.54 v1(6.49,20.54) ; 9.15,73.2 8.05,73.2 6.71,74.54 v1(6.49,74.54) ; 65.15,35.2 64.05,35.2 62.71,36.54 v1(62.49,36.54) ; 51.15,57.2 50.05,57.2 48.71,58.54 v1(48.49,58.54) ; v1(20.49,74.54) 20.71,74.54 22.05,73.2 23.15,73.2
